# Altium PCB UltraZohm_Digital_Resolver.PcbDoc (part 2 of 3) (continued)
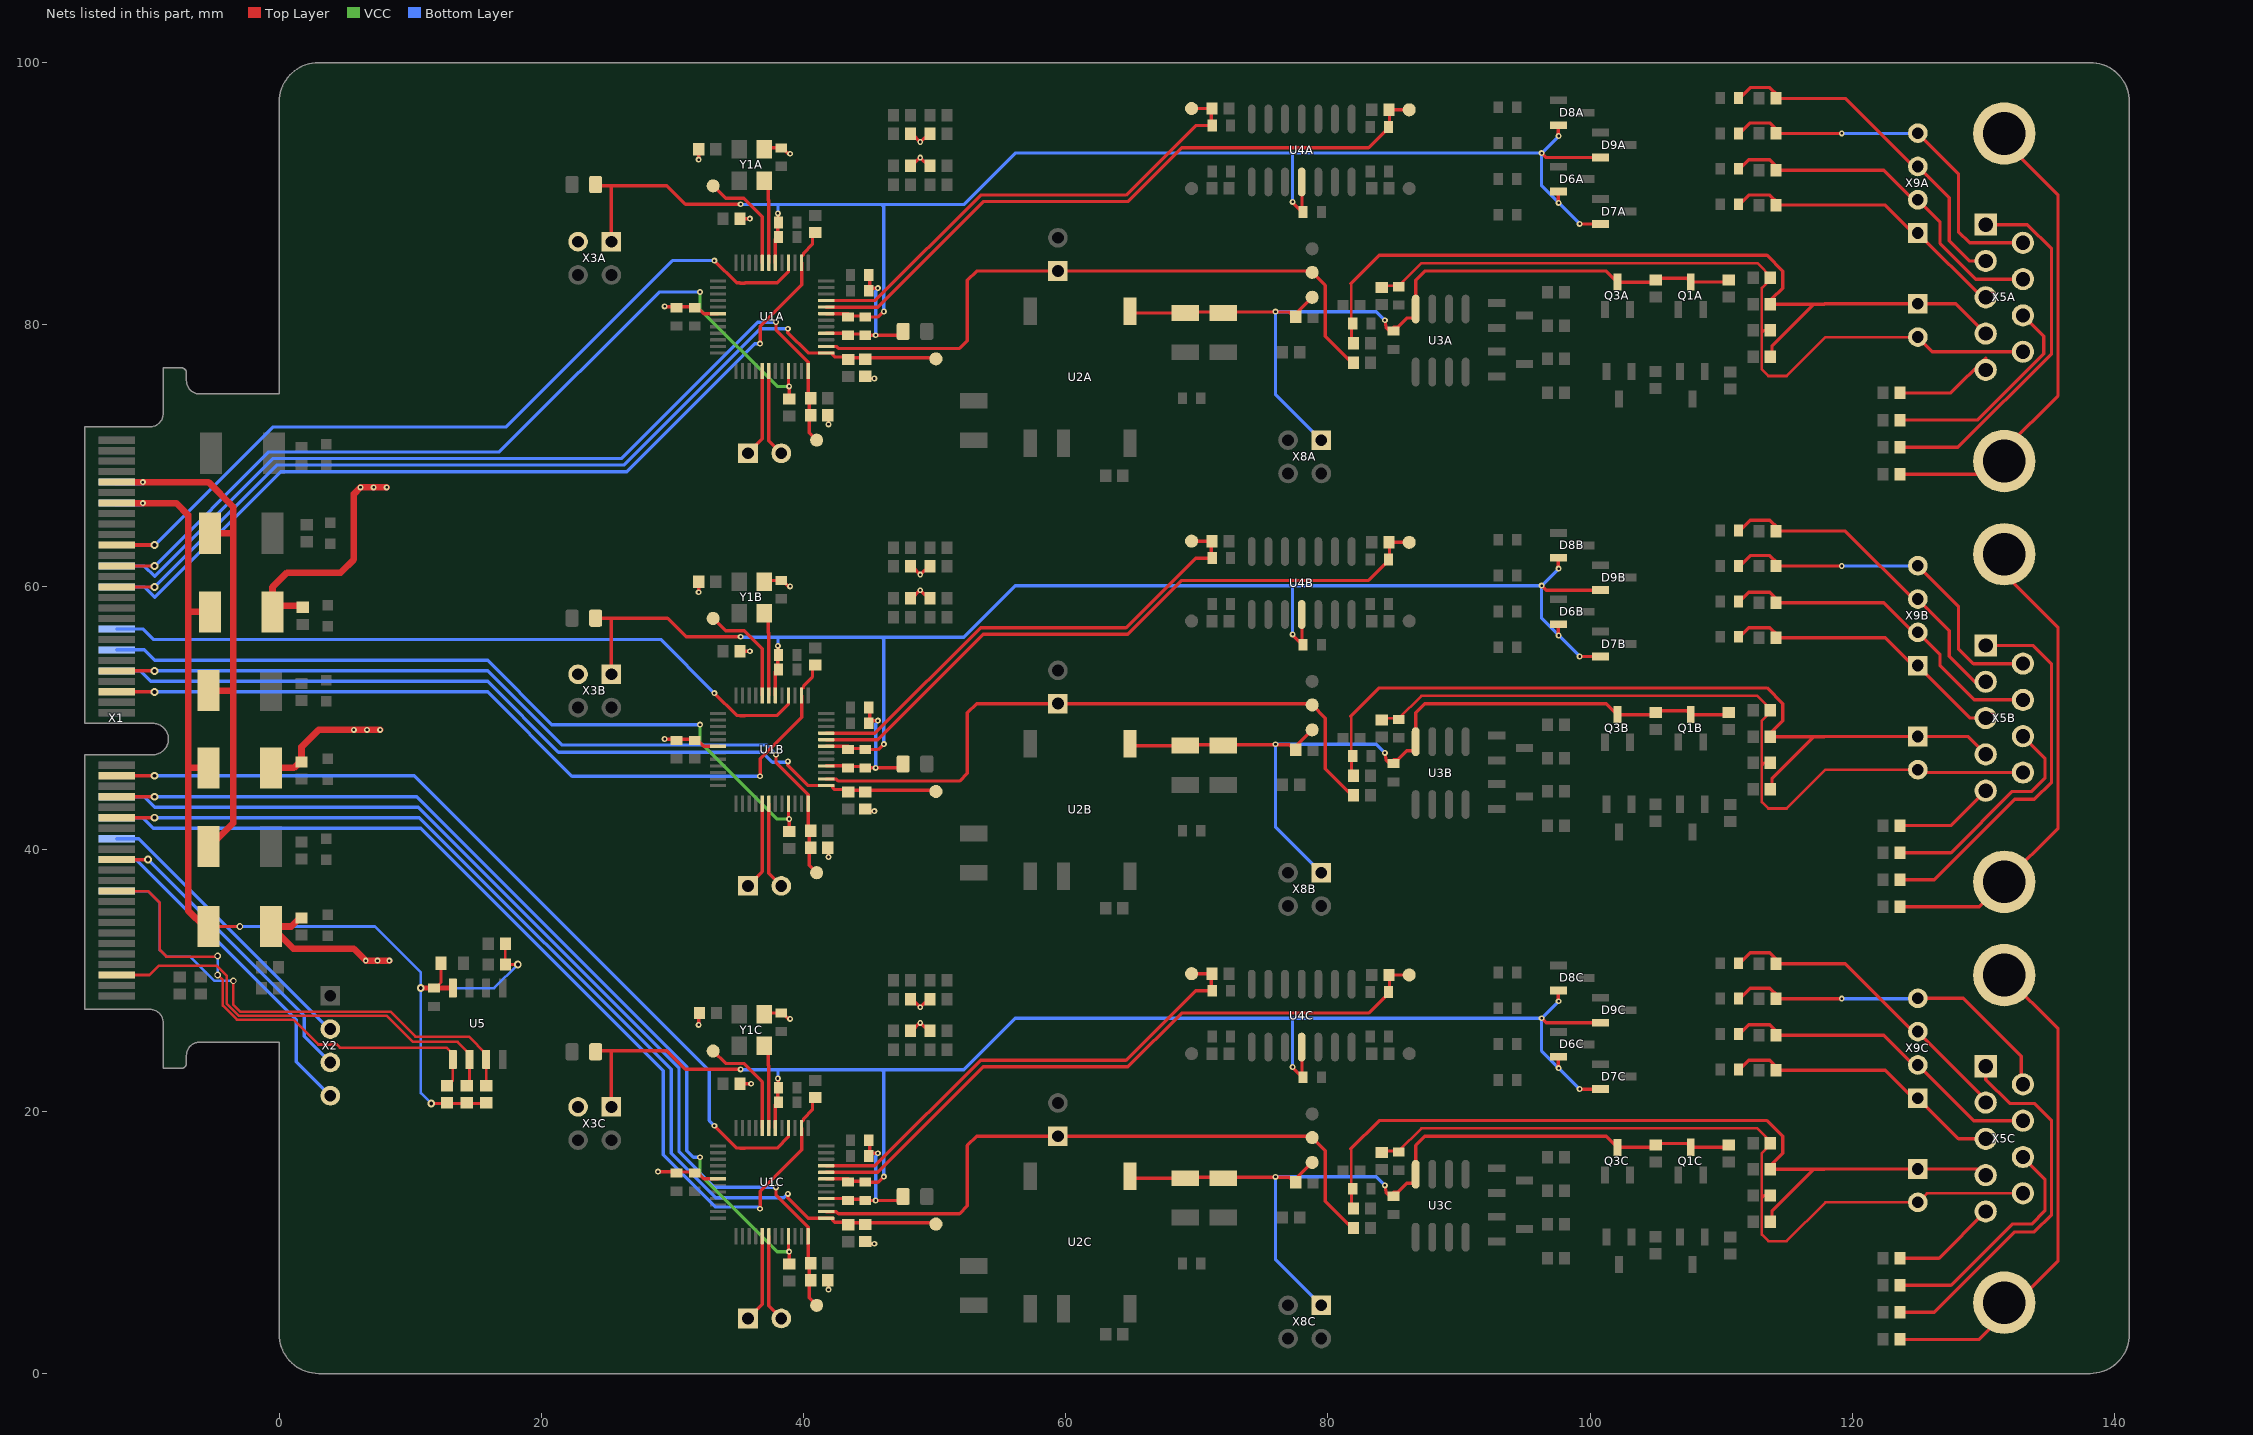
[diagram p4: the nets of this part, all layers, seen from the top]
## Part data (continued)
Y1A Y1B Y1C: library part SG-8018CE_8.1920M-TJHPA0, "8.192 MHz XO (Standard) CMOS Oscillator 1.62V ~ 3.63V Enable/Disable 4-SMD, No Lead", LCSC Part Number=C390481, MPN="SG-8018CE 8.1920M-TJHPA0", MF=EPSON

## Via types
v1: diameter 0.45, hole 0.2, Top Layer to Bottom Layer, tented both sides, 291 vias
v2: diameter 0.6, hole 0.3, Top Layer to Bottom Layer, tented both sides, 46 vias
v3: diameter 0.45, hole 0.2, Top Layer to Bottom Layer, 9 vias
v4: diameter 0.6, hole 0.3, Top Layer to Bottom Layer, 5 vias
v5: diameter 0.5, hole 0.3, Top Layer to Bottom Layer, 5 vias

## Nets (pads, with @x,y where several pads share a name; then routed paths per layer and width w, separated by ;. In a path a pad name is that pad's centre, name@x,y a point inside that pad or via, vN(x,y) a via of type N, cw(c..) or ccw(c..) an arc to the next point about the centre after c; other vN are vias at no path point)
3V3_PER: C3.1 F3A.1 F3B.1 F3C.1 R55.2 R56.2 R57.2 R59.2 R60.2 SB1.1 U5.8 X1.13 X1.14 | length 91.1
  Top Layer w0.2: F3C.1@-5.642,34.003 -5.545,34.1 F3C.1@-5.39,34.1 v5(-3,34.1) ; v4(11.6,20.6) 14.3,20.6 15.75,20.6 R55.2@15.8,20.65 ; C3.1@11.8,29.4 11.9,29.4 12.343,29.843 SB1.1@12.343,31.3 ; U5.8@13.244,29.4 U5.8@13.248,29.404 ; R60.2@17.25,32.8 R59.2@17.25,31.2 v4(18.2,31.2)
  Top Layer w0.4: v4(10.8,29.4) C3.1@11.8,29.4 ; C3.1@11.9,29.4 U5.8@13.244,29.4
  Top Layer w0.5: X1.13@-12.4,66.4 v1(-10.4,66.4) -7.852,66.4 -6.952,65.5 -6.952,58.1 ; F3C.1@-5.39,34.003 -5.642,34.003 -6.952,35.313 -6.952,46.2 ; F3B.1@-5.34,46.203 -6.949,46.203 -6.952,46.2 ; F3A.1@-5.29,58.1 -6.952,58.1 ; -6.952,46.2 -6.952,58.1
  Bottom Layer w0.2: v5(-3,34.1) 7.3,34.1 10.8,30.6 v4(10.8,29.4) ; v4(11.6,20.6) 10.8,21.4 v4(10.8,29.4) ; v4(18.2,31.2) 16.4,29.4 v4(10.8,29.4)
  Bottom Layer w0.5: X1.14@-12.4,66.4 v1(-10.4,66.4)
3V3A: C4A.2 C7A.2 C8A.2 F3A.2 R8A.2 R11A.2 R13A.2 R14A.2 R16A.2 R17A.2 R19A.2 R23A.2 R52A.2 U1A.18 X3A.3 Y1A.4 | length 32.3
  Top Layer w0.254: v1(29.4,81.402) 29.413,81.389 30.286,81.389 30.3,81.375 31.85,81.375 32.375,80.85 U1A.18@33.475,80.85 ; v1(32,92.6) R52A.2@32,93.4 ; R14A.2@35.15,88.1 v3(35.9,88.1) ; Y1A.4@37,93.4 37.1,93.5 C4A.2@38.3,93.5 38.4,93.5 38.838,93.062 38.959,93.062 v1(38.971,93.049) ; v1(41.9,72.4) 41.9,73.025 R19A.2@41.975,73.1 ; R17A.2@44.7,75.945 44.745,75.9 v1(45.4,75.9) ; R13A.2@48.275,92.133 48.275,92.158 48.865,92.748 v1(48.9,92.748) ; R11A.2@48.275,94.567 v1(48.9,93.942) 49.202,94.244 49.227,94.244 49.525,94.542 R8A.2@49.525,94.567 ; v1@48.9,92.758 49.202,92.456 49.227,92.456 49.525,92.158 R16A.2@49.525,92.133
  Top Layer w0.5: R23A.2@1.8,58.575 -0.035,58.575 F3A.2@-0.51,58.1 -0.51,59.99 0.6,61.1 4.7,61.1 5.7,62.1 5.7,67.1 v1(6.2,67.6) v1(8.2,67.6)
  other v1: 7.2,67.6
3V3B: C4B.2 C7B.2 C8B.2 F3B.2 R8B.2 R11B.2 R13B.2 R14B.2 R16B.2 R17B.2 R19B.2 R23B.2 R52B.2 U1B.18 X3B.3 Y1B.4 | length 23.2
  Top Layer w0.254: v1(29.4,48.402) 29.413,48.389 30.286,48.389 30.3,48.375 31.85,48.375 32.375,47.85 U1B.18@33.475,47.85 ; v1(32,59.6) R52B.2@32,60.4 ; R14B.2@35.15,55.1 v3(35.9,55.1) ; Y1B.4@37,60.4 37.1,60.5 C4B.2@38.3,60.5 38.4,60.5 38.838,60.062 38.959,60.062 v1(38.971,60.049) ; v1(41.9,39.4) 41.9,40.025 R19B.2@41.975,40.1 ; R17B.2@44.7,42.945 44.745,42.9 v1(45.4,42.9) ; R13B.2@48.275,59.133 48.275,59.158 48.865,59.748 v1(48.9,59.748) ; R11B.2@48.275,61.567 v1(48.9,60.942) 49.202,61.244 49.227,61.244 49.525,61.542 R8B.2@49.525,61.567 ; v1@48.9,59.758 49.202,59.456 49.227,59.456 49.525,59.158 R16B.2@49.525,59.133
  Top Layer w0.5: F3B.2@-0.61,46.2 1.125,46.2 1.7,46.775 1.7,47.8 3,49.1 v1(5.7,49.1) v1(6.7,49.1) v1(7.7,49.1)
3V3C: C4C.2 C7C.2 C8C.2 F3C.2 R8C.2 R11C.2 R13C.2 R14C.2 R16C.2 R17C.2 R19C.2 R23C.2 R52C.2 U1C.18 X3C.3 Y1C.4 | length 26.4
  Top Layer w0.254: v1(28.9,15.4) 28.911,15.389 30.286,15.389 30.3,15.375 31.85,15.375 32.375,14.85 U1C.18@33.475,14.85 ; v1(32,26.6) R52C.2@32,27.4 ; R14C.2@35.15,22.1 v3(36,22.1) ; Y1C.4@37,27.4 37.1,27.5 C4C.2@38.3,27.5 38.4,27.5 38.838,27.062 38.959,27.062 v1(38.971,27.049) ; v1(41.9,6.4) 41.9,7.025 R19C.2@41.975,7.1 ; R17C.2@44.7,9.945 44.745,9.9 v1(45.4,9.9) ; R13C.2@48.275,26.133 48.275,26.158 48.865,26.748 v1(48.9,26.748) ; R11C.2@48.275,28.567 v1(48.9,27.942) 49.202,28.244 49.227,28.244 49.525,28.542 R8C.2@49.525,28.567 ; v1@48.9,26.758 49.202,26.456 49.227,26.456 49.525,26.158 R16C.2@49.525,26.133
  Top Layer w0.5: R23C.2@1.7,34.875 0.925,34.1 F3C.2@-0.61,34.1 1.09,32.4 5.7,32.4 v1(6.6,31.5) v1(7.5,31.5) v1(8.4,31.5)
5V_PER: F2A.1 F2B.1 F2C.1 X1.9 X1.10 | length 42.1
  Top Layer w0.5: X1.9@-12.4,68 v1(-10.4,68) -5.4,68 -3.5,66.1 -3.5,64.1 ; F2C.1@-5.39,40.1 -3.5,41.99 -3.5,52.1 ; F2B.1@-5.39,52.1 -3.5,52.1 ; F2A.1@-5.19,64.1 -3.5,64.1 ; -3.5,52.1 -3.5,64.1
  Bottom Layer w0.5: X1.10@-12.4,68 v1(-10.4,68)
5VA: C1A.2 C2A.2 C9A.1 C10A.1 C24A.1 D6A.2 D7A.2 D8A.2 D9A.2 L2A.1 U1A.6 U1A.43 U4A.4 X3A.1 | length 119.9
  Top Layer w0.254: L2A.1@24.14,90.62 25.42,90.62 ; X3A.1@25.34,86.34 25.34,90.54 25.42,90.62 ; v1(35.2,89.2) 30.993,89.2 29.573,90.62 25.42,90.62 ; U1A.6@37.85,84.725 37.85,86.525 38.025,86.7 38.025,88.1 C1A.2@38.072,88.147 ; v1(38.044,88.505) 38.072,88.477 C1A.2@38.072,88.147 ; C1A.2@38.072,87.847 C1A.2@38.072,88.147 ; U1A.43@41.725,80.85 41.727,80.848 43.407,80.848 43.58,80.675 44.7,80.675 44.775,80.6 45.683,80.6 46.099,81.016 v1(46.124,81.016) ; v1(77.314,89.383) 77.3,89.383 77.3,89.325 78.025,88.6 78.025,90.875 U4A.4@78,90.9 ; v1(96.3,93.1) 96.64,92.76 D9A.2@100.78,92.76 ; D6A.2@97.58,90.16 97.58,89.32 v1(97.6,89.3) ; D8A.2@97.58,95.227 97.58,94.42 v1(97.6,94.4) ; v1(99.2,87.7) 99.207,87.693 D7A.2@100.78,87.693
  Bottom Layer w0.254: v1(35.2,89.2) 35.225,89.175 38.044,89.175 ; v1(38.044,88.505) 38.044,89.175 ; v1(46.124,81.016) 46.124,89.007 45.956,89.175 ; v1(77.314,89.383) 77.314,89.386 77.3,89.4 77.3,93.1 ; v1(97.6,94.4) v1(96.3,93.1) ; v1(99.2,87.7) v1(97.6,89.3) 96.3,90.6 v1(96.3,93.1) ; 38.044,89.175 45.956,89.175 ; 45.956,89.175 52.235,89.175 56.16,93.1 77.3,93.1 ; 77.3,93.1 v1(96.3,93.1)
5VB: C1B.2 C2B.2 C9B.1 C10B.1 C24B.1 D6B.2 D7B.2 D8B.2 D9B.2 L2B.1 U1B.6 U1B.43 U4B.4 X3B.1 | length 119.9
  Top Layer w0.254: L2B.1@24.14,57.62 25.42,57.62 ; X3B.1@25.34,53.34 25.34,57.54 25.42,57.62 ; v1(35.2,56.2) 31.043,56.2 29.623,57.62 25.42,57.62 ; U1B.6@37.85,51.725 37.85,53.525 38.025,53.7 38.025,55.1 C1B.2@38.072,55.147 ; v1(38.044,55.505) 38.072,55.477 C1B.2@38.072,55.147 ; C1B.2@38.072,54.847 C1B.2@38.072,55.147 ; U1B.43@41.725,47.85 41.727,47.848 43.407,47.848 43.58,47.675 44.7,47.675 44.775,47.6 45.683,47.6 46.099,48.016 v1(46.124,48.016) ; v1(77.314,56.383) 77.3,56.383 77.3,56.325 78.025,55.6 78.025,57.875 U4B.4@78,57.9 ; v1(96.3,60.1) 96.64,59.76 D9B.2@100.78,59.76 ; D6B.2@97.58,57.16 97.58,56.32 v1(97.6,56.3) ; D8B.2@97.58,62.227 97.58,61.42 v1(97.6,61.4) ; v1(99.2,54.7) 99.207,54.693 D7B.2@100.78,54.693
  Bottom Layer w0.254: v1(35.2,56.2) 35.225,56.175 38.044,56.175 ; v1(38.044,55.505) 38.044,56.175 ; v1(46.124,48.016) 46.124,56.007 45.956,56.175 ; v1(77.314,56.383) 77.314,56.386 77.3,56.4 77.3,60.1 ; v1(97.6,61.4) v1(96.3,60.1) ; v1(99.2,54.7) v1(97.6,56.3) 96.3,57.6 v1(96.3,60.1) ; 38.044,56.175 45.956,56.175 ; 45.956,56.175 52.235,56.175 56.16,60.1 77.3,60.1 ; 77.3,60.1 v1(96.3,60.1)
5VC: C1C.2 C2C.2 C9C.1 C10C.1 C24C.1 D6C.2 D7C.2 D8C.2 D9C.2 L2C.1 U1C.6 U1C.43 U4C.4 X3C.1 | length 119.9
  Top Layer w0.254: L2C.1@24.14,24.62 25.42,24.62 ; X3C.1@25.34,20.34 25.34,24.54 25.42,24.62 ; v1(35.2,23.2) 30.993,23.2 29.573,24.62 25.42,24.62 ; U1C.6@37.85,18.725 37.85,20.525 38.025,20.7 38.025,22.1 C1C.2@38.072,22.147 ; v1(38.044,22.505) 38.072,22.477 C1C.2@38.072,22.147 ; C1C.2@38.072,21.847 C1C.2@38.072,22.147 ; U1C.43@41.725,14.85 41.727,14.848 43.407,14.848 43.58,14.675 44.7,14.675 44.775,14.6 45.683,14.6 46.099,15.016 v1(46.124,15.016) ; v1(77.314,23.383) 77.3,23.383 77.3,23.325 78.025,22.6 78.025,24.875 U4C.4@78,24.9 ; v1(96.3,27.1) 96.64,26.76 D9C.2@100.78,26.76 ; D6C.2@97.58,24.16 97.58,23.32 v1(97.6,23.3) ; D8C.2@97.58,29.227 97.58,28.42 v1(97.6,28.4) ; v1(99.2,21.7) 99.207,21.693 D7C.2@100.78,21.693
  Bottom Layer w0.254: v1(35.2,23.2) 35.225,23.175 38.044,23.175 ; v1(38.044,22.505) 38.044,23.175 ; v1(46.124,15.016) 46.124,23.007 45.956,23.175 ; v1(77.314,23.383) 77.314,23.386 77.3,23.4 77.3,27.1 ; v1(97.6,28.4) v1(96.3,27.1) ; v1(99.2,21.7) v1(97.6,23.3) 96.3,24.6 v1(96.3,27.1) ; 38.044,23.175 45.956,23.175 ; 45.956,23.175 52.235,23.175 56.16,27.1 77.3,27.1 ; 77.3,27.1 v1(96.3,27.1)
12VA: C12A.1 C13A.1 C30A.1 Q1A.3 Q3A.3 R24A.2 R30A.2 R34A.2 TP9A.1 U2A.5 U3A.8 X8A.1 | length 65.7
  Top Layer w0.254: U2A.5@64.91,81.05 65.06,80.9 C13A.1@69.1,80.9 69.175,80.975 77.05,80.975 77.425,80.6 77.425,80.725 TP9A.1@78.8,82.1 ; v1(84.35,80.35) 84.388,80.312 84.388,80.012 84.427,79.973 84.427,79.823 84.65,79.6 84.8,79.6 85.023,79.823 85.318,79.823 86.014,80.519 86.535,80.519 86.695,80.679 U3A.8@86.695,81.2 86.695,83.395 87.4,84.1 101.245,84.1 Q3A.3@102.09,83.255 104.705,83.255 105,83.55 107.39,83.55 Q1A.3@107.68,83.26 110.295,83.26 R30A.2@110.59,83.555
  Bottom Layer w0.254: X8A.1@79.5,71.2 76,74.7 v1(76,81) 83.7,81 v1(84.35,80.35)
12VB: C12B.1 C13B.1 C30B.1 Q1B.3 Q3B.3 R24B.2 R30B.2 R34B.2 TP9B.1 U2B.5 U3B.8 X8B.1 | length 65.7
  Top Layer w0.254: U2B.5@64.91,48.05 65.06,47.9 C13B.1@69.1,47.9 69.175,47.975 77.05,47.975 77.425,47.6 77.425,47.725 TP9B.1@78.8,49.1 ; v1(84.35,47.35) 84.388,47.312 84.388,47.012 84.427,46.973 84.427,46.823 84.65,46.6 84.8,46.6 85.023,46.823 85.318,46.823 86.014,47.519 86.535,47.519 86.695,47.679 U3B.8@86.695,48.2 86.695,50.395 87.4,51.1 101.245,51.1 Q3B.3@102.09,50.255 104.705,50.255 105,50.55 107.39,50.55 Q1B.3@107.68,50.26 110.295,50.26 R30B.2@110.59,50.555
  Bottom Layer w0.254: X8B.1@79.5,38.2 76,41.7 v1(76,48) 83.7,48 v1(84.35,47.35)
12VC: C12C.1 C13C.1 C30C.1 Q1C.3 Q3C.3 R24C.2 R30C.2 R34C.2 TP9C.1 U2C.5 U3C.8 X8C.1 | length 65.7
  Top Layer w0.254: U2C.5@64.91,15.05 65.06,14.9 C13C.1@69.1,14.9 69.175,14.975 77.05,14.975 77.425,14.6 77.425,14.725 TP9C.1@78.8,16.1 ; v1(84.35,14.35) 84.388,14.312 84.388,14.012 84.427,13.973 84.427,13.823 84.65,13.6 84.8,13.6 85.023,13.823 85.318,13.823 86.014,14.519 86.535,14.519 86.695,14.679 U3C.8@86.695,15.2 86.695,17.395 87.4,18.1 101.245,18.1 Q3C.3@102.09,17.255 104.705,17.255 105,17.55 107.39,17.55 Q1C.3@107.68,17.26 110.295,17.26 R30C.2@110.59,17.555
  Bottom Layer w0.254: X8C.1@79.5,5.2 76,8.7 v1(76,15) 83.7,15 v1(84.35,14.35)
\Reset_Resolver1: R21A.1 U1A.33 X1.25 | length 65.7
  Top Layer w0.254: X1.25@-12.4,61.6 v2(-9.5,61.6) ; v1@38.85,75.3 U1A.33@38.85,76.475 ; R21A.1@38.9,74.475 v1(38.9,75.3)
  VCC w0.254: v1(32.1,82.5) 32.1,81.2 38,75.3 v1(38.9,75.3)
  Bottom Layer w0.254: v2(-9.5,61.6) -0.8,70.3 16.8,70.3 29,82.5 v1(32.1,82.5)
\Reset_Resolver2: R21B.1 U1B.33 X1.42 | length 59.4
  Top Layer w0.254: v1@38.85,42.3 U1B.33@38.85,43.475 ; R21B.1@38.9,41.475 v1(38.9,42.3)
  VCC w0.254: v1(32.1,49.5) 32.1,48.2 38,42.3 v1(38.9,42.3)
  Bottom Layer w0.254: X1.42@-12.4,55.2 -10.3,55.2 -9.5,54.4 15.9,54.4 20.8,49.5 v1(32.1,49.5)
\Reset_Resolver3: R21C.1 U1C.33 X1.61 | length 72.2
  Top Layer w0.254: X1.61@-12.4,44 v2(-9.5,44) ; v1@38.85,9.3 U1C.33@38.85,10.475 ; R21C.1@38.9,8.475 v1(38.9,9.3)
  VCC w0.254: v1(32.1,16.5) 32.1,15.2 38,9.3 v1(38.9,9.3)
  Bottom Layer w0.254: v2(-9.5,44) 10.5,44 31.1,23.4 31.1,17 31.6,16.5 v1(32.1,16.5)
\Resolver_CS1: R9A.1 U1A.2 X1.30 | length 67.1
  Top Layer w0.254: v1(36.675,78.565) 36.7,78.59 36.7,79.9 39.85,83.05 U1A.2@39.85,84.725 ; U1A.2@39.852,85.223 39.996,85.367 39.996,85.449 40.677,86.13 40.677,87.002 R9A.1@40.7,87.025
  Bottom Layer w0.254: X1.30@-12.4,60 -10.3,60 -9.5,59.2 0.1,68.8 26.5,68.8 36.265,78.565 v1(36.675,78.565)
\Resolver_CS2: R9B.1 U1B.2 X1.49 | length 61.4
  Top Layer w0.254: X1.49@-12.4,52 v2(-9.5,52) ; v1(36.675,45.565) 36.7,45.59 36.7,46.9 39.85,50.05 U1B.2@39.85,51.725 ; U1B.2@39.852,52.223 39.996,52.367 39.996,52.449 40.677,53.13 40.677,54.002 R9B.1@40.7,54.025
  Bottom Layer w0.254: v2(-9.5,52) 15.9,52 22.335,45.565 v1(36.675,45.565)
\Resolver_CS3: R9C.1 U1C.2 X1.66 | length 74.8
  Top Layer w0.254: v1(36.675,12.565) 36.7,12.59 36.7,13.9 39.85,17.05 U1C.2@39.85,18.725 ; U1C.2@39.852,19.223 39.996,19.367 39.996,19.449 40.677,20.13 40.677,21.002 R9C.1@40.7,21.025
  Bottom Layer w0.254: X1.66@-12.4,42.4 -10.4,42.4 -9.6,41.6 10.8,41.6 29.3,23.1 29.3,16.7 33.3,12.7 36.54,12.7 v1(36.675,12.565)
A0_Resolver1: R17A.1 R18A.2 TP1A.1 U1A.37 X1.29 | length 71.9
  Top Layer w0.254: X1.29@-12.4,60 v2(-9.5,60) ; v1(38.8,79.7) 38.8,79.4 40.35,77.85 42.221,77.85 42.223,77.848 42.223,77.699 42.374,77.548 43.327,77.548 43.4,77.475 43.42,77.495 49.694,77.495 49.898,77.7 TP1A.1@50.1,77.7
  Bottom Layer w0.254: v2(-9.5,60) -0.2,69.3 26.3,69.3 36.7,79.7 v1(38.8,79.7)
A0_Resolver2: R17B.1 R18B.2 TP1B.1 U1B.37 X1.46 | length 66.7
  Top Layer w0.254: v1(38.8,46.7) 38.8,46.4 40.35,44.85 42.221,44.85 42.223,44.848 42.223,44.699 42.374,44.548 43.327,44.548 43.4,44.475 43.42,44.495 44.7,44.495 49.694,44.495 49.898,44.7 TP1B.1@50.1,44.7
  Bottom Layer w0.254: X1.46@-12.4,53.6 -10.6,53.6 -9.8,52.8 15.9,52.8 21.3,47.4 36.86,47.4 37.625,46.635 38.735,46.635 v1(38.8,46.7)
A0_Resolver3: R17C.1 R18C.2 TP1C.1 U1C.37 X1.65 | length 79.7
  Top Layer w0.254: X1.65@-12.4,42.4 v2(-9.5,42.4) ; v1(38.8,13.7) 38.8,13.4 40.35,11.85 42.221,11.85 42.223,11.848 42.223,11.699 42.374,11.548 43.327,11.548 43.4,11.475 43.42,11.495 49.694,11.495 49.898,11.7 TP1C.1@50.1,11.7
  Bottom Layer w0.254: v2(-9.5,42.4) 10.7,42.4 29.9,23.2 29.9,16.8 33.3,13.4 38.5,13.4 v1(38.8,13.7)
A1_Resolver1: R19A.1 R20A.2 TP2A.1 U1A.36 X1.26 | length 69
  Top Layer w0.254: v1(37.9,80.2) 37.9,79.6 40.35,77.15 U1A.36@40.35,76.475 40.35,74.475 40.425,74.4 40.425,71.775 TP2A.1@41,71.2
  Bottom Layer w0.254: X1.26@-12.4,61.6 -10.3,61.6 -9.5,60.8 -0.5,69.8 26.1,69.8 36.5,80.2 v1(37.9,80.2)
A1_Resolver2: R19B.1 R20B.2 TP2B.1 U1B.36 X1.45 | length 63.2
  Top Layer w0.254: X1.45@-12.4,53.6 v2(-9.5,53.6) ; v1(37.9,47.2) 37.9,46.6 40.35,44.15 U1B.36@40.35,43.475 40.35,41.475 40.425,41.4 40.425,40.1 40.425,38.775 TP2B.1@41,38.2
  Bottom Layer w0.254: v2(-9.5,53.6) 15.9,53.6 21.55,47.95 37.15,47.95 v1(37.9,47.2)
A1_Resolver3: R19C.1 R20C.2 TP2C.1 U1C.36 X1.62 | length 76.7
  Top Layer w0.254: v1(37.9,14.2) 37.9,13.6 40.35,11.15 U1C.36@40.35,10.475 40.35,8.475 40.425,8.4 40.425,5.775 TP2C.1@41,5.2
  Bottom Layer w0.254: X1.62@-12.4,44 -10.3,44 -9.5,43.2 10.6,43.2 30.5,23.3 30.5,16.9 33.2,14.2 v1(37.9,14.2)
AA: U1A.29 X4A.1 | length 6.7
  Top Layer w0.254: X4A.1@35.76,70.2 36.85,71.29 U1A.29@36.85,76.475
AB: U1B.29 X4B.1 | length 6.7
  Top Layer w0.254: X4B.1@35.76,37.2 36.85,38.29 U1B.29@36.85,43.475
AC: U1C.29 X4C.1 | length 6.7
  Top Layer w0.254: X4C.1@35.76,4.2 36.85,5.29 U1C.29@36.85,10.475
ADDR_0: R57.1 U5.1 X1.79 | length 37.6
  Top Layer w0.2: X1.79@-12.4,36.8 -10,36.8 -9.1,35.9 -9.1,32.3 -8.6,31.8 -4.75,31.8 v5(-4.7,31.85) ; v5(-4.7,30.4) -4.3,30 -4.3,28.076 -3.224,27 1.084,27 2.984,25.1 4.4,25.1 4.638,24.862 12.765,24.862 13.248,24.379 U5.1@13.248,23.954 13.248,22.348 12.85,21.95 R57.1@12.8,21.95
  Bottom Layer w0.2: v5(-4.7,30.4) v5(-4.7,31.85)
ADDR_1: R56.1 U5.2 X1.95 | length 33.8
  Top Layer w0.2: X1.95@-12.4,30.4 -9.9,30.4 -9.2,31.1 -4.764,31.1 -4,30.336 -4,28.2 -3.1,27.3 8.2,27.3 10.2,25.3 13.597,25.3 14.518,24.379 U5.2@14.518,23.954 14.518,22.168 R56.1@14.3,21.95
ADDR_2: R55.1 U5.3 X1.80 | length 38.9
  Top Layer w0.2: v5(-3.5,29.95) -3.5,28.124 -2.976,27.6 8.5,27.6 10.4,25.7 14.467,25.7 15.788,24.379 U5.3@15.788,23.954 15.788,21.962 R55.1@15.8,21.95
  Bottom Layer w0.2: X1.80@-12.4,36.8 -10,36.8 -9.1,35.9 -9.1,32.3 -8.6,31.8 -6.8,31.8 -4.95,29.95 v5(-3.5,29.95)
AGNDA: C5A.2 C6A.1 C9A.2 C10A.2 L1A.1 U1A.40 | length 11.5
  Top Layer w0.254: U1A.40@41.725,79.35 43.355,79.35 43.4,79.305 C9A.2@44.7,79.305 ; C9A.2@44.775,79.2 v1(45.5,79.2) 47.3,79.2 L1A.1@47.6,79.5 ; C5A.2@45.05,82.6 C6A.1@45.05,83.8 ; C5A.2@45.05,82.652 45.198,82.8 v1(45.672,82.8)
  Bottom Layer w0.254: v1(45.5,79.2) 45.5,82.574 45.672,82.747 v1(45.672,82.8)
AGNDB: C5B.2 C6B.1 C9B.2 C10B.2 L1B.1 U1B.40 | length 11.5
  Top Layer w0.254: U1B.40@41.725,46.35 43.355,46.35 43.4,46.305 C9B.2@44.7,46.305 ; C9B.2@44.775,46.2 v1(45.5,46.2) 47.3,46.2 L1B.1@47.6,46.5 ; C5B.2@45.05,49.6 C6B.1@45.05,50.8 ; C5B.2@45.05,49.652 45.198,49.8 v1(45.672,49.8)
  Bottom Layer w0.254: v1(45.5,46.2) 45.5,49.574 45.672,49.747 v1(45.672,49.8)
AGNDC: C5C.2 C6C.1 C9C.2 C10C.2 L1C.1 U1C.40 | length 11.5
  Top Layer w0.254: U1C.40@41.725,13.35 43.355,13.35 43.4,13.305 C9C.2@44.7,13.305 ; C9C.2@44.775,13.2 v1(45.5,13.2) 47.3,13.2 L1C.1@47.6,13.5 ; C5C.2@45.05,16.6 C6C.1@45.05,17.8 ; C5C.2@45.05,16.652 45.198,16.8 v1(45.672,16.8)
  Bottom Layer w0.254: v1(45.5,13.2) 45.5,16.574 45.672,16.747 v1(45.672,16.8)
BA: U1A.30 X4A.2 | length 6.7
  Top Layer w0.254: U1A.30@37.35,76.475 37.35,71.15 X4A.2@38.3,70.2
BB: U1B.30 X4B.2 | length 6.7
  Top Layer w0.254: U1B.30@37.35,43.475 37.35,38.15 X4B.2@38.3,37.2
BC: U1C.30 X4C.2 | length 6.7
  Top Layer w0.254: U1C.30@37.35,10.475 37.35,5.15 X4C.2@38.3,4.2
CLK_INA: U1A.7 Y1A.3 | length 6.4
  Top Layer w0.254: Y1A.3@37,91 37.3,90.7 37.3,89.5 ; U1A.7@37.35,84.725 37.35,89.5
CLK_INB: U1B.7 Y1B.3 | length 6.4
  Top Layer w0.254: Y1B.3@37,58 37.3,57.7 37.3,56.5 ; U1B.7@37.35,51.725 37.35,56.5
CLK_INC: U1C.7 Y1C.3 | length 6.4
  Top Layer w0.254: Y1C.3@37,25 37.3,24.7 37.3,23.5 ; U1C.7@37.35,18.725 37.35,23.5
CLK_OUTA: TP10A.1 U1A.8 | length 8.2
  Top Layer w0.254: TP10A.1@33.1,90.6 34.048,89.652 35.437,89.652 36.85,88.239 U1A.8@36.85,84.725
CLK_OUTB: TP10B.1 U1B.8 | length 8.3
  Top Layer w0.254: TP10B.1@33.1,57.6 34.048,56.652 35.487,56.652 36.85,55.289 U1B.8@36.85,51.725
CLK_OUTC: TP10C.1 U1C.8 | length 8.2
  Top Layer w0.254: TP10C.1@33.1,24.6 34.048,23.652 35.437,23.652 36.85,22.239 U1C.8@36.85,18.725
COS_LO_STA: C19A.1 R45A.1 X5A.6 X9A.4 | length 28.1
  Top Layer w0.254: C19A.1@111.4,94.6 112.2,95.4 113.7,95.4 114.3,94.8 114.3,94.6 v1(119.2,94.6) ; X9A.4@125,94.62 128.1,91.52 128.1,87.1 128.945,86.255 X5A.6@133.02,86.255
  Bottom Layer w0.254: v1(119.2,94.6) X9A.4@124.68,94.6
COS_LO_STB: C19B.1 R45B.1 X5B.6 X9B.4 | length 27.1
  Top Layer w0.254: C19B.1@111.4,61.6 112.2,62.4 113.7,62.4 114.3,61.8 114.3,61.6 v1(119.2,61.6) ; X9B.4@125,61.62 128.1,58.52 128.1,55.3 129.245,54.155 X5B.6@133.02,54.155
  Bottom Layer w0.254: v1(119.2,61.6) X9B.4@124.68,61.6
COS_LO_STC: C19C.1 R45C.1 X5C.6 X9C.4 | length 26
  Top Layer w0.254: C19C.1@111.4,28.6 112.2,29.4 113.7,29.4 114.3,28.8 114.3,28.6 v1(119.2,28.6) ; X9C.4@125,28.62 128.48,28.62 132.9,24.2 132.9,22.175 X5C.6@133.02,22.055
  Bottom Layer w0.254: v1(119.2,28.6) X9C.4@124.68,28.6
COS_LOA: C28A.1 R49A.2 TP4A.1 U1A.44 | length 51.4
  Top Layer w0.254: U1A.44@41.725,81.35 42.724,81.35 45.651,81.35 53.701,89.4 64.736,89.4 68.836,93.5 83.1,93.5 84.7,95.1 84.7,96.325 84.775,96.4 TP4A.1@86.2,96.4
COS_LOB: C28B.1 R49B.2 TP4B.1 U1B.44 | length 51.4
  Top Layer w0.254: U1B.44@41.725,48.35 42.724,48.35 45.651,48.35 53.701,56.4 64.736,56.4 68.836,60.5 83.1,60.5 84.7,62.1 84.7,63.325 R49B.2@84.775,63.4 ; R49B.2@84.775,63.4 TP4B.1@86.2,63.4
COS_LOC: C28C.1 R49C.2 TP4C.1 U1C.44 | length 51.4
  Top Layer w0.254: U1C.44@41.725,15.35 42.724,15.35 45.651,15.35 53.701,23.4 64.736,23.4 68.836,27.5 83.1,27.5 84.7,29.1 84.7,30.325 84.775,30.4 TP4C.1@86.2,30.4
COS_STA: C18A.1 R44A.1 X5A.2 X9A.3 | length 26.8
  Top Layer w0.254: C18A.1@111.4,97.3 112.2,98.1 113.7,98.1 114.3,97.5 114.3,97.267 119.473,97.267 X9A.3@125,91.74 ; X9A.3@125,92.08 127.4,89.68 127.4,86.4 128.93,84.87 X5A.2@130.18,84.87
COS_STB: C18B.1 R44B.1 X5B.2 X9B.3 | length 25.7
  Top Layer w0.254: C18B.1@111.4,64.3 112.2,65.1 113.7,65.1 114.3,64.5 114.3,64.267 119.473,64.267 X9B.3@125,58.74 ; X9B.3@125,59.08 127.4,56.68 127.4,54.7 129.33,52.77 X5B.2@130.18,52.77
COS_STC: C18C.1 R44C.1 X5C.2 X9C.3 | length 24.3
  Top Layer w0.254: C18C.1@111.4,31.3 112.2,32.1 113.7,32.1 114.3,31.5 114.3,31.267 119.473,31.267 X9C.3@125,25.74 ; X9C.3@125,26.08 130.18,20.9 X5C.2@130.18,20.67
COSA: C27A.1 R48A.2 TP3A.1 U1A.45 | length 37.7
  Top Layer w0.254: U1A.45@41.725,81.85 45.45,81.85 53.5,89.9 64.6,89.9 69.9,95.2 71.1,95.2 71.1,96.425 71.025,96.5 TP3A.1@69.6,96.5
COSB: C27B.1 R48B.2 TP3B.1 U1B.45 | length 37.7
  Top Layer w0.254: U1B.45@41.725,48.85 45.45,48.85 53.5,56.9 64.6,56.9 69.9,62.2 71.1,62.2 71.1,63.425 71.025,63.5 TP3B.1@69.6,63.5
COSC: C27C.1 R48C.2 TP3C.1 U1C.45 | length 37.7
  Top Layer w0.254: U1C.45@41.725,15.85 45.45,15.85 53.5,23.9 64.6,23.9 69.9,29.2 71.1,29.2 71.1,30.425 71.025,30.5 TP3C.1@69.6,30.5
D_EXCA: C14A.2 R28A.2 R40A.2 R41A.1 X5A.4 X7A.1 | length 64.4
  Top Layer w0.203: 81.75,83.15 81.764,83.136 81.777,83.123 81.777,80.148 C14A.2@81.825,80.1
  Top Layer w0.254: 81.75,83.15 83.9,85.3 113.5,85.3 114.7,84.1 114.7,82.8 113.875,81.975 113.875,81.58 117.08,81.58 ; R28A.2@81.8,78.588 81.8,80.075 C14A.2@81.825,80.1 ; R41A.1@113.875,77.58 113.875,78.375 117.08,81.58 ; X5A.4@130.18,79.33 127.91,81.6 X7A.1@125,81.6 117.895,81.6 117.875,81.58 117.08,81.58
D_EXCA_N: C15A.2 R29A.2 R38A.2 R39A.1 X5A.9 X7A.2 | length 60.9
  Top Layer w0.203: R29A.2@84.1,82.975 85.4,82.975 87.125,84.7 112.755,84.7 113.875,83.58 113.1,82.805 113.1,79.4 ; R39A.1@113.875,79.58 113.28,79.58 113.1,79.4 ; X7A.2@125,79.06 117.96,79.06 115,76.1 113.6,76.1 113.1,76.6 113.1,79.4
  Top Layer w0.254: X7A.2@125,79.06 126.115,77.945 X5A.9@133.02,77.945
D_EXCB: C14B.2 R28B.2 R40B.2 R41B.1 X5B.4 X7B.1 | length 64
  Top Layer w0.203: 81.75,50.15 81.764,50.136 81.777,50.123 81.777,47.148 C14B.2@81.825,47.1
  Top Layer w0.254: 81.75,50.15 83.9,52.3 113.5,52.3 114.7,51.1 114.7,49.8 113.875,48.975 113.875,48.58 117.08,48.58 ; R28B.2@81.8,45.588 81.8,47.075 C14B.2@81.825,47.1 ; R41B.1@113.875,44.58 113.875,45.375 117.08,48.58 ; X5B.4@130.18,47.23 128.81,48.6 X7B.1@125,48.6 117.895,48.6 117.875,48.58 117.08,48.58
D_EXCB_N: C15B.2 R29B.2 R38B.2 R39B.1 X5B.9 X7B.2 | length 60.5
  Top Layer w0.203: R29B.2@84.1,49.975 85.4,49.975 87.125,51.7 112.755,51.7 113.875,50.58 113.1,49.805 113.1,46.4 ; R39B.1@113.875,46.58 113.28,46.58 113.1,46.4 ; X5B.9@133.02,45.845 125.215,45.845 X7B.2@125,46.06 117.96,46.06 115,43.1 113.6,43.1 113.1,43.6 113.1,46.4
D_EXCC: C14C.2 R28C.2 R40C.2 R41C.1 X5C.4 X7C.1 | length 63.6
  Top Layer w0.203: 81.75,17.15 81.764,17.136 81.777,17.123 81.777,14.148 C14C.2@81.825,14.1
  Top Layer w0.254: 81.75,17.15 83.9,19.3 113.5,19.3 114.7,18.1 114.7,16.8 113.875,15.975 113.875,15.58 117.08,15.58 ; R28C.2@81.8,12.588 81.8,14.075 C14C.2@81.825,14.1 ; R41C.1@113.875,11.58 113.875,12.375 117.08,15.58 ; X5C.4@130.18,15.13 129.71,15.6 X7C.1@125,15.6 117.895,15.6 117.875,15.58 117.08,15.58
D_EXCC_N: C15C.2 R29C.2 R38C.2 R39C.1 X5C.9 X7C.2 | length 60.7
  Top Layer w0.203: R29C.2@84.1,16.975 85.4,16.975 87.125,18.7 112.755,18.7 113.875,17.58 113.1,16.805 113.1,13.4 ; R39C.1@113.875,13.58 113.28,13.58 113.1,13.4 ; X5C.9@133.02,13.745 125.685,13.745 X7C.2@125,13.06 117.96,13.06 115,10.1 113.6,10.1 113.1,10.6 113.1,13.4
D_GND_1A: R3A.1 X5A.1 | length 28.3
  Top Layer w0.254: R3A.1@123.65,70.667 128.067,70.667 135.2,77.8 135.2,85.8 133.36,87.64 X5A.1@130.18,87.64
D_GND_1B: R3B.1 X5B.1 | length 29.2
  Top Layer w0.254: R3B.1@123.65,37.667 126.267,37.667 132.4,43.8 133.9,43.8 135.2,45.1 135.2,54.1 133.76,55.54 X5B.1@130.18,55.54
D_GND_1C: R3C.1 X5C.1 | length 29.2
  Top Layer w0.254: R3C.1@123.65,4.667 126.267,4.667 132.4,10.8 133.9,10.8 135.2,12.1 135.2,19.3 133.9,20.6 132,20.6 130.18,22.42 X5C.1@130.18,23.44
D_GND_5A: R4A.1 X5A.5 | length 7.6
  Top Layer w0.254: R4A.1@123.65,74.8 127.52,74.8 130.18,77.46
D_GND_5B: R4B.1 X5B.5 | length 7.6
  Top Layer w0.254: R4B.1@123.65,41.8 127.52,41.8 X5B.5@130.18,44.46
D_GND_5C: R4C.1 X5C.5 | length 8
  Top Layer w0.254: R4C.1@123.65,8.8 126.62,8.8 X5C.5@130.18,12.36
D_GND_8A: R5A.1 X5A.8 | length 16.6
  Top Layer w0.254: R5A.1@123.65,72.733 129.533,72.733 134.6,77.8 134.6,79.135 X5A.8@133.02,80.715
D_GND_8B: R5B.1 X5B.8 | length 17.3
  Top Layer w0.254: R5B.1@123.65,39.733 127.533,39.733 132.2,44.4 133.7,44.4 134.7,45.4 134.7,46.935 X5B.8@133.02,48.615
D_GND_8C: R5C.1 X5C.8 | length 18.2
  Top Layer w0.254: R5C.1@123.65,6.733 127.533,6.733 132.2,11.4 133.7,11.4 134.7,12.4 134.7,14.835 X5C.8@133.02,16.515
D_GND_10A: R51A.2 X5A.10 X5A.11 | length 37.1
  Top Layer w0.254: R51A.2@123.65,68.6 129.695,68.6 131.6,70.505 135.7,74.605 135.7,89.9 131.6,94 X5A.10@131.6,95.495
D_GND_10B: R51B.2 X5B.10 X5B.11 | length 37.1
  Top Layer w0.254: R51B.2@123.65,35.6 129.695,35.6 X5B.11@131.6,37.505 135.7,41.605 135.7,56.9 131.6,61 X5B.10@131.6,62.495
D_GND_10C: R51C.2 X5C.10 X5C.11 | length 38
  Top Layer w0.254: R51C.2@123.65,2.6 129.695,2.6 135.7,8.605 135.7,26.295 X5C.10@131.6,30.395
D_SIN_LOA: C16A.1 R42A.1 X5A.7 X9A.2 | length 26.9
  Top Layer w0.254: C16A.1@111.4,91.9 112.1,92.6 113.7,92.6 114.3,92 114.3,91.8 122.4,91.8 X9A.2@125,89.2 ; X9A.2@125,89.54 126.7,87.84 126.7,86.2 129.415,83.485 X5A.7@133.02,83.485
D_SIN_LOB: C16B.1 R42B.1 X5B.7 X9B.2 | length 26.1
  Top Layer w0.254: C16B.1@111.4,58.9 112.1,59.6 113.7,59.6 114.3,59 114.3,58.8 122.4,58.8 X9B.2@125,56.2 ; X9B.2@125,56.54 126.7,54.84 126.7,54 129.315,51.385 X5B.7@133.02,51.385
D_SIN_LOC: C16C.1 R42C.1 X5C.7 X9C.2 | length 25.2
  Top Layer w0.254: C16C.1@111.4,25.9 112.1,26.6 113.7,26.6 114.3,26 114.3,25.8 122.4,25.8 X9C.2@125,23.2 ; X9C.2@125,23.54 129.255,19.285 X5C.7@133.02,19.285
D_SINA: C17A.1 R43A.1 X5A.3 X9A.1 | length 22.5
  Top Layer w0.254: C17A.1@111.4,89.2 112.1,89.9 113.7,89.9 114.3,89.3 114.3,89.133 122.527,89.133 X9A.1@125,86.66 ; X9A.1@125,87 129.9,82.1 X5A.3@130.18,82.1
D_SINB: C17B.1 R43B.1 X5B.3 X9B.1 | length 22.2
  Top Layer w0.254: C17B.1@111.4,56.2 112.1,56.9 113.7,56.9 114.3,56.3 114.3,56.133 122.527,56.133 X9B.1@125,53.66 ; X9B.1@125,54 129,50 X5B.3@130.18,50
D_SINC: C17C.1 R43C.1 X5C.3 X9C.1 | length 21.8
  Top Layer w0.254: C17C.1@111.4,23.2 112.1,23.9 113.7,23.9 114.3,23.3 114.3,23.133 122.527,23.133 X9C.1@125,20.66 ; X9C.1@125,21 128.1,17.9 X5C.3@130.18,17.9
DIG_IO_27: X1.70 X2.2 | length 22.3
  Bottom Layer w0.254: X1.70@-12.4,40.8 -10.7,40.8 3.83,26.27 X2.2@3.9,26.27
DIG_IO_28: X1.73 X2.3 | length 23.6
  Top Layer w0.254: X1.73@-12.4,39.2 v2(-10,39.2)
  Bottom Layer w0.254: v2(-10,39.2) 1.9,27.3 1.9,25.73 X2.3@3.9,23.73
DIG_IO_29: X1.74 X2.4 | length 25.6
  Bottom Layer w0.254: X1.74@-12.4,39.2 -10.9,39.2 1.3,27 1.3,23.79 X2.4@3.9,21.19
EXCA: R27A.2 TP7A.1 U1A.38 X6A.1 | length 90.6
  Top Layer w0.254: U1A.38@41.725,78.35 41.727,78.348 42.505,78.348 42.659,78.194 51.898,78.194 ; 51.898,78.194 52.5,78.796 ; 51.898,78.194 52.5,78.796 ; 52.5,78.796 52.5,83.399 ; 52.5,78.796 52.5,83.399 ; 52.5,83.399 53.201,84.1 ; 52.5,83.399 53.201,84.1 ; 53.201,84.1 X6A.1@59.4,84.1 ; 53.201,84.1 X6A.1@59.4,84.1 ; X6A.1@59.4,84.1 TP7A.1@78.7,84.1 ; X6A.1@59.4,84.1 TP7A.1@78.7,84.1 ; TP7A.1@78.7,84.1 TP7A.1@78.8,84 ; TP7A.1@78.8,84 79.8,83 ; TP7A.1@78.8,84 79.8,83 ; 79.8,79.125 81.825,77.1 79.8,79.125 ; 79.8,79.125 79.8,83 ; 79.8,79.125 79.8,83
EXCB: R27B.2 TP7B.1 U1B.38 X6B.1 | length 50.5
  Top Layer w0.254: U1B.38@41.725,45.35 41.727,45.348 42.505,45.348 42.659,45.194 51.898,45.194 52.5,45.796 52.5,50.399 53.201,51.1 X6B.1@59.4,51.1 78.7,51.1 TP7B.1@78.8,51 79.8,50 79.8,46.125 R27B.2@81.825,44.1
EXCC: R27C.2 TP7C.1 U1C.38 X6C.1 | length 90.6
  Top Layer w0.254: U1C.38@41.725,12.35 41.727,12.348 42.505,12.348 42.659,12.194 51.898,12.194 ; 51.898,12.194 52.5,12.796 ; 51.898,12.194 52.5,12.796 ; 52.5,12.796 52.5,17.399 ; 52.5,12.796 52.5,17.399 ; 52.5,17.399 53.201,18.1 ; 52.5,17.399 53.201,18.1 ; 53.201,18.1 X6C.1@59.4,18.1 ; 53.201,18.1 X6C.1@59.4,18.1 ; X6C.1@59.4,18.1 TP7C.1@78.7,18.1 ; X6C.1@59.4,18.1 TP7C.1@78.7,18.1 ; TP7C.1@78.7,18.1 TP7C.1@78.8,18 ; TP7C.1@78.8,18 79.8,17 ; TP7C.1@78.8,18 79.8,17 ; 79.8,13.125 81.825,11.1 79.8,13.125 ; 79.8,13.125 79.8,17 ; 79.8,13.125 79.8,17
FSYNC1: U1A.4 X1.21 | length 62
  Top Layer w0.254: v1(33.2,84.9) 34.9,83.2 35.136,83.2 35.163,83.174 35.537,83.174 35.564,83.2 38,83.2 38.85,84.05 U1A.4@38.85,84.725
  Top Layer w0.3: X1.21@-12.4,63.2 v2(-9.5,63.2)
  Bottom Layer w0.254: v2(-9.5,63.2) -0.5,72.2 17.3,72.2 30,84.9 v1(33.2,84.9)
FSYNC2: U1B.4 X1.38 | length 55
  Top Layer w0.254: v1(33.2,51.9) 34.9,50.2 35.136,50.2 35.163,50.174 35.537,50.174 35.564,50.2 38,50.2 38.85,51.05 U1B.4@38.85,51.725
  Bottom Layer w0.254: X1.38@-12.4,56.8 -10.4,56.8 -9.6,56 29.1,56 v1(33.2,51.9)
FSYNC3: U1C.4 X1.57 | length 66.3
  Top Layer w0.254: X1.57@-12.4,45.6 v2(-9.5,45.6) ; v1(33.2,18.9) 34.9,17.2 35.136,17.2 35.163,17.174 35.537,17.174 35.564,17.2 38,17.2 38.85,18.05 U1C.4@38.85,18.725
  Bottom Layer w0.254: v2(-9.5,45.6) 10.3,45.6 32.8,23.1 32.8,19.3 v1(33.2,18.9)